# KiCad board Pre-Layout.kicad_pcb (continued)
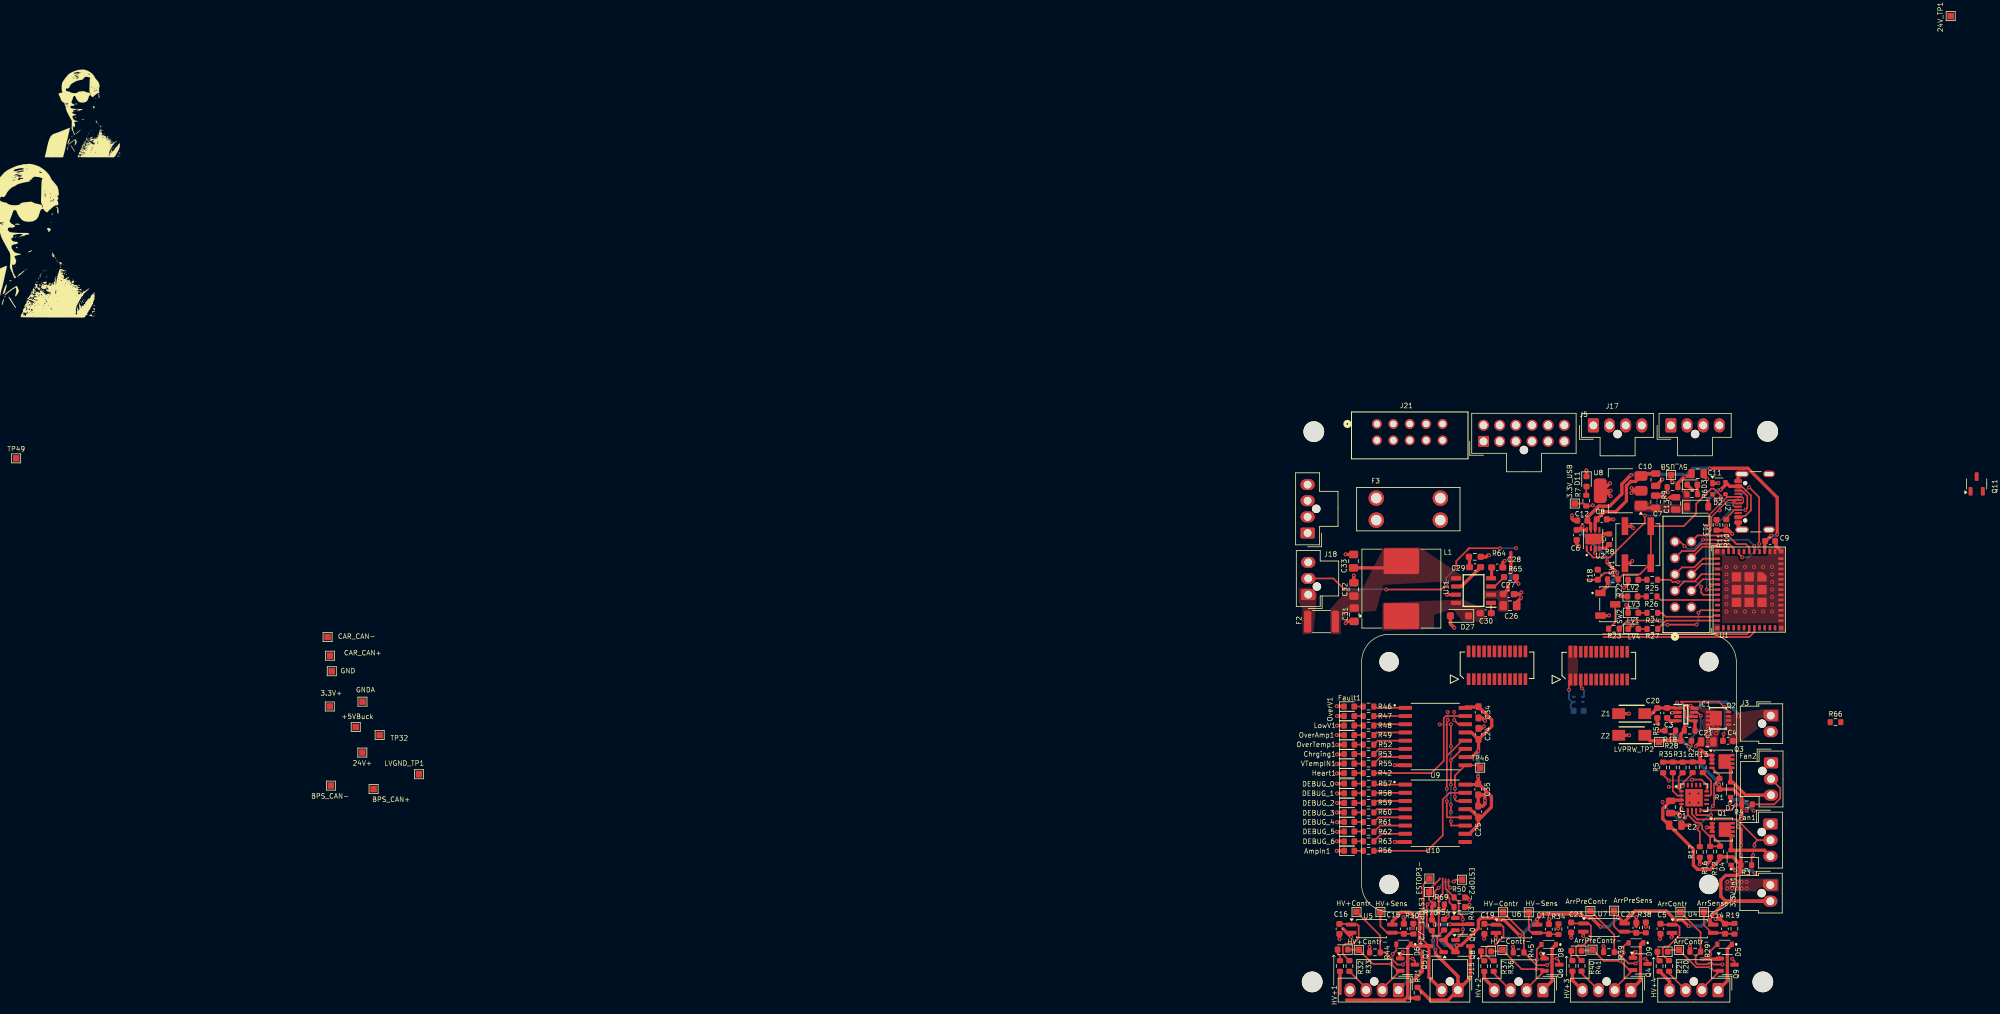
[diagram p0: board, top side]
## Routing (per net, layer and track width the routed paths; a pad name or vN(x,y) marks a point on that pad's centre or on a via; arc(x,y) is an arc through that point) (continued)
/ESP_RESET: length 52.6
  Top w0.25: v1(432.63,78.31) 434.18,76.76 v1(434.18,69.53) ; 407.58,64.01 407.61,63.98 C18.1 410.26,65.04 411.36,65.04 R22.2 413.13,64.8 415.68,64.8 417.41,66.53 SW1.4 422.5,72.28 424.44,74.22 424.44,75.74 426.78,78.08 427.19,78.08 428.28,76.99 428.28,76.78 v1(428.22,76.72) ; v1(431.56,67.45) 431.05,67.97 431.05,68.35
  Bottom w0.25: v1(434.18,69.53) 434.18,69.08 432.56,67.45 v1(431.56,67.45) ; v1(432.63,78.31) 431.81,77.49 ; 431.81,77.49 431.7,77.38 ; 431.81,77.49 430.22,75.9 429.04,75.9 v1(428.22,76.72)
/ESP_UART_RX: length 23.4
  Top w0.25: 410.06,55.58 410.09,55.54 432.29,55.54 432.64,55.9 U1.30
/ESP_UART_TX: length 24.3
  Top w0.25: 410.1,55.09 432.64,55.09 433.44,55.9 U1.31
/ESTOP_1-/2+: length 14
  Top w0.25: 383.08,14.4 R69.2 ; 384.75,17.75 384.75,17.6 383.1,15.95 TP5.1 383.1,14.47
  Top w0.5: v1(386.34,10.59) 389.4,10.59 Q10.4 ; R69.2 383.54,13.39 R70.1 383.96,10.86 v1(383.96,10.52)
  Bottom w0.5: v1(383.96,10.52) 384.03,10.59 v1(386.34,10.59)
/ESTOP_1_SENSE: length 6.8
  Top w0.25: 386.24,14.03 386.24,14.6 ; v1(386.38,16.28) 386.1,16.56 386.1,17.54 ; Q10.1 386.95,11.78 R43.1 386.21,14.02 ; 386.23,14.67 v1(385.89,15)
  Bottom w0.25: v1(386.38,16.28) 385.89,15.79 v1(385.89,15)
/ESTOP_2-: length 38.1
  Top w0.25: v1(383.98,14.76) 383.98,15.66 v1(384.57,16.25) ; v1(383.72,8.15) 383.72,9.45 R70.2 382.74,10.43 382.74,13.59 v1(382.86,13.72) ; TP10.1 387.22,17.5 v1(386.94,17.22)
  Top w0.5: v1(384.08,6.66) 384.08,6.02 387.57,2.54 J15.1 ; J15.1 386.02,-1.15 383.28,-1.15 R71.1 ; J15.1 389.47,2.3 Q8.4
  Bottom w0.25: 383.06,13.88 383.18,13.88 383.99,14.7 ; 383.02,13.88 v1(382.86,13.72) ; v1(384.57,16.25) 385.54,17.22 v1(386.94,17.22)
  Bottom w0.5: v1(383.72,8.15) 383.72,7.02 v1(384.08,6.66)
/ESTOP_2_SENSE: length 11
  Top w0.25: Q8.1 388.32,9.29 v1(388.32,9.82) ; 386.95,14.82 385.65,16.13 385.65,17.61 ; 387.68,14.01 387.68,12.39 388.32,11.75 v1(388.32,11.34) ; R50.1 387.71,14.01
  Bottom w0.25: v1(388.32,11.34) 388.32,9.82 v1(388.32,9.82)
/ESTOP_3_SENSE: length 13.6
  Top w0.25: Q7.1 384.36,7.26 384.36,8.67 ; R54.1 384.36,8.67 ; 384.36,8.67 384.58,8.89 384.58,14.66 ; 385.2,17.73 385.2,15.32 384.6,14.73
/Fan Controller/ADDRESS_PULLUP: length 7.2
  Top w0.25: v1(422.15,28.44) 422.16,28.45 U3.4 ; R2.2 423.88,33.98 422.36,32.46 v1(422.36,32.01)
  Bottom w0.25: v1(422.15,28.44) 422.15,31.8 v1(422.36,32.01)
/Fan Controller/CLK_PULLUP: length 4.7
  Top w0.25: U3.11 426.57,30.53 426.74,30.71 426.74,32.8 R13.2
/Fan Controller/FAN_1_FLYBACK: length 10.1
  Top w0.5: Q1.5 429.84,24.29 D4.2 435,22.06 Fan1.3
/Fan Controller/FAN_1_TACH: length 18.7
  Top w0.25: v1(433.46,22.81) 433.46,23.17 433.92,23.64 ; U3.6 423.78,27.65 424.64,26.8 424.68,26.84 430.72,26.84 433.92,23.64 ; v1(433.26,21.31) 433.02,21.08 R3.2 ; 433.92,23.64 Fan1.2
  Bottom w0.25: v1(433.46,22.81) 433.46,22.54 433.26,22.34 v1(433.26,21.31)
/Fan Controller/FAN_2_FLYBACK: length 10.7
  Top w0.5: Q3.5 429.75,34.88 D7.2 430.12,32.58 432.09,30.6 Fan2.3
/Fan Controller/FAN_2_TACH: length 17.5
  Top w0.25: Fan2.2 437.45,31.68 437.45,30.12 436.51,29.17 R4.2 432.25,28.3 v1(432.25,28.19) ; v1(430.62,29.12) 429.76,28.26 U3.8
  Bottom w0.25: v1(432.25,28.19) 431.32,29.12 v1(430.62,29.12)
/FAN+HTSense_SCL: length 4.5
  Top w0.25: R35.2 420.83,31.26 421.55,30.53 U3.2
/FAN+HTSense_SDA: length 8
  Top w0.25: U3.1 421.73,31.61 ; 421.73,31.61 421.73,31.69 v1(421.51,31.91) ; 421.73,31.61 421.73,33.46 R31.2 ; v1(406.75,47.17) 406.56,47.36 J1.5
  Bottom w0.25: v1(420.2,31.88) 420.23,31.91 v1(421.51,31.91) ; U12.1 406.98,45.85 407.08,45.95 407.08,46.84 v1(406.75,47.17)
/FAN_1_PWM: length 17.2
  Top w0.25: Q1.4 426.59,23.96 R16.1 428.11,22.67 R12.1 428.13,23.09 Q1.4 ; Q1.4 426.44,24.3 425.36,25.39 425.36,25.9 424.91,26.35 424.39,26.35 423.23,27.5 ; 423.23,27.5 423.11,27.5 v1(422.74,27.13) ; 423.23,27.5 423.13,27.6 U3.5
  Bottom w0.25: v1(422.74,27.13) 422.39,26.78 421.7,26.78 419.24,29.24 v1(419.24,29.55)
/FAN_2_PWM: length 17.4
  Top w0.25: v1(426.73,27.51) 424.58,27.51 424.43,27.65 U3.7 ; v1(424.65,25.72) 424.65,25.26 425,24.91 R17.1 ; v1(427.03,28.95) 427.21,29.13 427.21,32.34 R1.1 428.03,33.69 Q3.4
  Bottom w0.25: v1(424.65,25.72) 426.44,27.51 v1(426.73,27.51) 426.73,28.65 v1(427.03,28.95)
/FAN_ALERT: length 8.8
  Top w0.25: v1(420.2,32.87) 419.32,33.76 R5.2 ; U3.12 426.06,32.21 425.25,33.01 v1(423.8,33.01)
  Bottom w0.25: v1(420.2,32.87) 423.66,32.87 v1(423.8,33.01)
/HV+_CONTROL: length 15
  Top w0.25: TP45.1 375.54,8.83 R44.2 376.31,6.25 378.2,4.35 v1(379.04,4.35) ; v1(380.54,5.28) 380.9,4.92 Q5.4
  Bottom w0.25: v1(380.54,5.28) 379.97,5.28 v1(379.04,4.35)
/HV+_SENSE: length 7.8
  Top w0.25: TP44.1 375.56,10.32 376.59,9.29 U5.3 379.02,9.29 379.19,9.12 380.63,9.12 R30.1
/HV-_CONTROL: length 15
  Top w0.25: v1(401.37,4.27) 399.75,4.27 R45.2 397.78,9.2 TP39.1 ; Q6.4 403.24,4.91 v1(402.87,5.28)
  Bottom w0.25: v1(402.87,5.28) 402.38,5.28 v1(401.37,4.27)
/HV-_SENSE: length 7.6
  Top w0.25: TP37.1 398.52,9.75 399.01,9.26 U6.3 401.44,9.26 C17.2 403.08,9.06 R34.1
/Indication Board Connection/ROSC: length 2.6
  Top w0.25: U11.3 393.25,62.93 R65.1
/INDICATION_BOARD_CONNECTION: length 37.1
  Top w0.25: 389.29,68.85 389.05,68.61 ; 389.29,68.85 389.05,68.61 ; 389.29,68.85 v1(394.06,68.85) ; v1(387.31,65.87) 387.31,66.87 389.05,68.61 ; v1(369.94,62.52) 368.29,64.17 J18.2 ; v1(376.47,62.46) 384.98,62.46 v1(385.72,63.2)
  Bottom w0.25: v1(394.06,68.85) v1(396.56,68.85) ; v1(369.94,62.52) 376.41,62.52 v1(376.47,62.46) ; v1(385.72,63.2) 385.72,64.28 v1(387.31,65.87)
/LED_RCLK: length 23.1
  Top w0.25: 385.84,36.66 385.84,42.09 v1(385.99,42.23) ; 385.84,36.66 v1(385.84,31.6) ; 385.84,36.66 388.22,39.05 U9.12 ; U10.12 385.84,27.16 v1(385.84,29.65)
  Bottom w0.25: v1(385.97,43.48) 385.99,43.47 v1(385.99,42.23) ; v1(385.84,29.65) v1(385.84,31.6)
/LED_SER: length 3.2
  Top w0.25: v1(386.99,42.23) 387.63,41.59 U9.14
  Bottom w0.25: v1(386.99,42.23) v1(386.99,43.48)
/LED_SRCLK: length 22.9
  Top w0.25: v1(386.46,28) 386.48,27.98 386.55,27.98 ; v1(386.46,38.17) 386.46,41.56 v1(386.46,41.56) ; v1(386.46,29.14) 386.46,28.07 386.55,27.98 ; U10.11 388.67,25.9 386.5,25.9 386.48,25.92 v1(386.48,26.54) ; 386.55,27.98 386.46,28.07 ; U9.11 388.22,37.78 v1(386.46,36.02) v1(386.46,32.25)
  Bottom w0.25: v1(386.46,38.17) 386.46,38.17 v1(386.46,36.01) ; v1(386.46,28) 386.53,28 386.43,27.9 386.43,26.59 v1(386.48,26.54) ; v1(386.46,41.56) v1(384.74,41.56) ; v1(386.46,29.14) v1(386.46,32.25)
/POWER/LV+: length 19.7
  Top w0.5: Z2.1 417.33,39.04 R28.1 422.08,40.08 R18.1 422.6,41.17 v1(422.92,41.49)
  Bottom w0.5: v1(422.92,41.49) 422.92,42.29 425.63,45 429.11,45 430.97,43.14 v1(430.97,42.88)
/POWER/RPP_EN: length 10.5
  Top w0.25: IC1.1 422.44,44.07 422.78,43.73 422.78,42.76 423.24,42.31 423.24,42.3 423.25,42.3 423.42,42.12 IC1.5
  Top w0.5: 421.09,44.15 419.97,44.15 C3.1 419.93,44.1 C20.2 417.54,43.23 Z1.1 ; R18.2 424.25,41.96 IC1.5
Net-(AmpIn1-A): length 1.4
  Top w0.25: AmpIn1.2 R56.2
Net-(C5-Pad2): length 10.2
  Top w0.25: C5.2 419.05,10.54 U4.1 421.5,10.54 421.85,10.19 421.85,8.91 420.1,7.15 419.57,7.15 419.25,6.84 419.25,5.86 420.15,4.96 R20.1
Net-(C16-Pad2): length 10.6
  Top w0.25: R33.1 369.74,5.99 369.74,7.16 370.18,7.6 371.34,7.6 372.19,8.45 372.19,10.35 371.98,10.56 371.03,10.56 370.93,10.66 C16.2
Net-(C19-Pad2): length 10.7
  Top w0.25: R37.1 392.85,4.95 391.93,5.87 391.93,6.9 392.25,7.22 393.15,7.22 394.61,8.68 394.61,10.18 394.26,10.53 U6.1 391.79,10.53 C19.2
Net-(C23-Pad2): length 10.5
  Top w0.25: R41.1 405.85,5.84 405.85,7.04 406.16,7.35 407,7.35 408.14,8.49 408.14,10.38 407.79,10.73 U7.1 405.23,10.73 C23.2
Net-(C29-Pad2): length 1.7
  Top w0.5: 389.03,67.5 389.35,67.18 C29.2
Net-(Chrging1-A): length 1.4
  Top w0.25: R53.2 Chrging1.2
Net-(D3-A): length 1.5
  Top w0.5: D3.2 424.62,77.25 R6.2
Net-(D6-K): length 44.7
  Top w0.25: Q7.4 382.23,8.07 382.23,16.73 ; TP6.1 382.25,16.79
  Top w0.5: R32.2 369.3,-0.13 ; 379.79,-0.61 380,-0.83 R71.2 ; 379.79,-0.61 379.79,7.03 D6.1 380.55,7.23 383.07,7.23 Q7.4 383.07,2.4 J15.2 ; 379.79,-0.61 379.25,-1.15 370.32,-1.15
Net-(D11-A): length 1.4
  Top w0.25: R7.2 407.42,78.38 D11.2
Net-(DEBUG_0-A): length 1.4
  Top w0.25: DEBUG_0.2 R57.2
Net-(DEBUG_1-A): length 1.4
  Top w0.25: DEBUG_1.2 R58.2
Net-(DEBUG_2-A): length 1.4
  Top w0.25: DEBUG_2.2 372.89,29.4 R59.2
Net-(DEBUG_3-A): length 1.4
  Top w0.25: DEBUG_3.2 R60.2
Net-(DEBUG_4-A): length 1.4
  Top w0.25: R61.2 372.89,26.45 DEBUG_4.2
Net-(DEBUG_5-A): length 1.4
  Top w0.25: R62.2 372.86,24.98 DEBUG_5.2
Net-(DEBUG_6-A): length 1.4
  Top w0.25: DEBUG_6.2 R63.2
Net-(Fault1-A): length 1.4
  Top w0.25: R46.2 Fault1.2
Net-(Heart1-A): length 1.4
  Top w0.25: R42.2 Heart1.2
Net-(HV+1-A): length 1.9
  Top w0.25: R32.1 369.3,5.69 368.93,6.07 HV+1.2
Net-(HV+2-A): length 1.7
  Top w0.25: HV+2.2 391.12,5.45 R36.1
Net-(HV+3-A): length 1.7
  Top w0.25: 405.03,6.55 405.03,5.22 R40.1
Net-(HV+4-A): length 1.5
  Top w0.25: HV+4.2 418.44,5.28 R21.1
Net-(IC1-GATE): length 17.1
  Top w0.25: IC1.6 423.41,42.77 423.24,42.95 423.24,43.91 422.06,45.09 427.96,45.09 v1(428.8,44.25) 429.44,43.61 Q2.4 ; v1(428.68,40.1) 428.66,40.08 428.66,39.09 C4.1
  Bottom w0.25: v1(428.8,44.25) 428.83,44.22 428.83,40.12 428.81,40.1 v1(428.68,40.1)
Net-(IC1-OV): length 12.6
  Top w0.25: v1(423.27,38.12) 423.7,38.12 423.73,38.15 R28.2 ; v1(425.16,42.91) 424.64,43.43 424.09,43.43 IC1.7
  Top w0.5: v1(420.68,39.79) 421.25,40.36 R51.1
  Bottom w0.25: v1(425.16,42.91) 425.12,42.87 425.12,40.91 423.27,39.06 v1(423.27,38.12)
  Bottom w0.5: v1(420.68,39.79) 421.53,39.79 423.2,38.12 v1(423.27,38.12)
Net-(IC1-VCAP): length 1.8
  Top w0.5: C3.2 420.4,42.12 IC1.4
Net-(J4-Sense-): length 4
  Top w0.25: R20.2 420.23,2.99 J4.3
Net-(J9-Sense-): length 4
  Top w0.25: J9.3 373.35,0.72 R33.2
Net-(J10-Sense-): length 4
  Top w0.25: R37.2 393.1,2.99 J10.3
Net-(J11-Sense-): length 4
  Top w0.25: J11.3 406.7,3.02 R41.2
Net-(LowV1-A): length 1.4
  Top w0.25: R48.2 LowV1.2
Net-(LV1-A): length 1.4
  Top w0.25: LV1.2 415.49,58.84 R24.2
Net-(LV2-A): length 1.3
  Top w0.25: R25.2 LV2.2
Net-(LV3-A): length 1.4
  Top w0.25: LV3.2 415.38,61.38 416.71,61.38
Net-(LV4-A): length 1.4
  Top w0.25: LV4.2 415.51,56.35 R27.2
Net-(OverAmp1-A): length 1.4
  Top w0.25: R49.2 OverAmp1.2
Net-(OverTemp1-A): length 1.3
  Top w0.25: R52.2 OverTemp1.2
Net-(OverV1-A): length 1.4
  Top w0.25: R47.2 OverV1.2
Net-(SW2-B): length 4.2
  Top w0.25: SW2.2 411.91,57.42 R23.2
Net-(U2-ILIM): length 1.7
  Top w0.5: R8.1 410.39,68.85 409.53,68.85
Net-(U2-STAT): length 20.9
  Top w0.25: v1(420.06,77.51) 419.95,77.62 R9.2 ; U2.1 407.5,68.42 408.49,67.43 411.07,67.43 416.5,72.86 v1(416.5,73.93)
  Bottom w0.25: 418.35,73.93 418.51,73.93 ; 418.35,73.93 418.35,76.73 419.2,77.58 419.99,77.58 v1(420.06,77.51) ; 418.35,73.93 v1(416.5,73.93)
Net-(U9-QA): length 21.7
  Top w0.25: U9.15 385.7,42.86 385.36,42.52 385.36,35.92 383.46,34.02 R42.1
Net-(U9-QB): length 5
  Top w0.25: U9.1 374.75,44.13 R46.1
Net-(U9-QC): length 4.9
  Top w0.25: R47.1 U9.2
Net-(U9-QD): length 5
  Top w0.25: R48.1 374.75,41.59 U9.3
Net-(U9-QE): length 5
  Top w0.25: U9.4 374.97,40.32 R49.1
Net-(U9-QF): length 5.1
  Top w0.25: U9.5 375.14,39.05 R52.1
Net-(U9-QG): length 5.2
  Top w0.25: U9.6 375.36,37.78 R53.1
Net-(U9-QH): length 5.3
  Top w0.25: R55.1 375.56,36.51 U9.7
Net-(U10-QA): length 21.1
  Top w0.25: U10.15 386.26,30.97 385.21,29.92 385.21,24.38 382.8,21.98 R56.1
Net-(U10-QB): length 4.9
  Top w0.25: U10.1 374.73,32.24 R57.1
Net-(U10-QC): length 4.9
  Top w0.25: R58.1 374.64,30.97 U10.2
Net-(U10-QD): length 5
  Top w0.25: R59.1 374.84,29.7 U10.3
Net-(U10-QE): length 5.1
  Top w0.25: R60.1 375.06,28.43 U10.4
Net-(U10-QF): length 5.1
  Top w0.25: R61.1 375.3,27.16 U10.5
Net-(U10-QG): length 5.2
  Top w0.25: U10.6 375.53,25.89 R62.1
Net-(U10-QH): length 5.3
  Top w0.25: R63.1 375.73,24.62 U10.7
Net-(U10-SER): length 10.1
  Top w0.25: v1(387.09,30.35) 387.09,29.93 387.32,29.7 U10.14 ; v1(387.09,31.6) 387.09,33.62 U9.9 390.62,35.24 TP46.1
  Bottom w0.25: v1(387.09,30.35) v1(387.09,31.6)
Net-(U11-BOOT): length 1.6
  Top w0.25: U11.1 392.69,58.82 C30.1
Net-(U11-COMP): length 5
  Top w0.5: U11.6 388.08,62.93 C29.1
Net-(U11-SS): length 1.7
  Top w0.5: 392.77,65.85 392.77,64.28 U11.4
Net-(VTempIN1-A): length 1.4
  Top w0.25: R55.2 VTempIN1.2

## Copper pours and planes (outline as drawn; the poured copper is in the pictures)
+3.3V on Top: 404.55,47.52 406.15,47.52 406.15,53.82 404.55,53.82
+5V_BUCK on Top: 367.81,55.68 367.77,59.39 370.44,62.46 372.75,62.48 376.04,68.94 381.73,68.98 388.16,64.61 388.14,63.8 376.04,63.18 374.87,59.14 370.69,58.85 369.44,57.48 369.44,55.5 367.8,55.53 367.81,55.85
+24V on Top: 423.49,44.31 424.69,44.33 428.45,43.66 428.44,41.36 427.84,39.69 427.86,37.99 425.77,37.93 425.78,39.73 424.8,43.74 423.48,43.75 423.48,44.31
+24V on Top: 395.34,62.45 391.64,62.39 391.61,61.06 393.69,61 393.74,58.99 395.5,59 395.36,62.44
+24V on Bottom: 369.14,3.74 432.74,3.85 432.5,39.26 438.11,39.26 437.8,-1.44 369.14,-1.44
+24V on Bottom: 425.51,41.25 428.44,41.36 428.42,38.23 438.28,38.34 438.26,36.73 425.51,36.62
/ESP/+5V_USB on Top: 423.59,77.93 422.36,77.94 422.25,75.66 417.43,75.73 416.8,76.27 414.87,76.3 414.84,74.51 422.01,74.2 423.59,74.48 423.57,77.63
GND on Top: 438.25,55.85 427.05,55.85 426.78,69.18 438.25,69.05
GND on Top: 428.25,17.67 437.25,17.67 437.25,15.67 428.25,15.67
/POWER/LV+ on Top: 428.86,43.16 435.01,43.94 437.23,43.95 437.29,41.93 435.41,41.89 430.62,38.43 429.55,38.45 428.93,41.29 428.85,43.15
Net-(D27-K) on Top: 375.98,60.41 388.24,60.93 391.79,59.41 391.72,57.46 388.24,57.54 386.76,59.36 383.87,58.57 383.87,56.33 375.83,56.07 375.89,60.42
Net-(J18-Pin_1) on Top: 362.91,62.73 364.79,62.73 365.22,61.96 365.77,61.98 365.16,55.57 363.5,55.53 363.46,59.38 362.91,60.68

## Text on the board
F.Silkscreen: BPS_CAN- | 3.3V+ | CAR_CAN- | GND | +5VBuck | CAR_CAN+ | 24V+ | GNDA | BPS_CAN+ | HV+Contr | HV+Contr- | HV+Sens | HV-Contr | HV-Contr- | HV-Sens | ArrPreContr | ArrPreContr- | ArrPreSens | ArrContr | ArrContr- | ArrSense | ESTOP3- | 5V_USB | ESTOP1-/2+ | ESTOP2-
